# Allegro board 08_038702e.brd (continued)
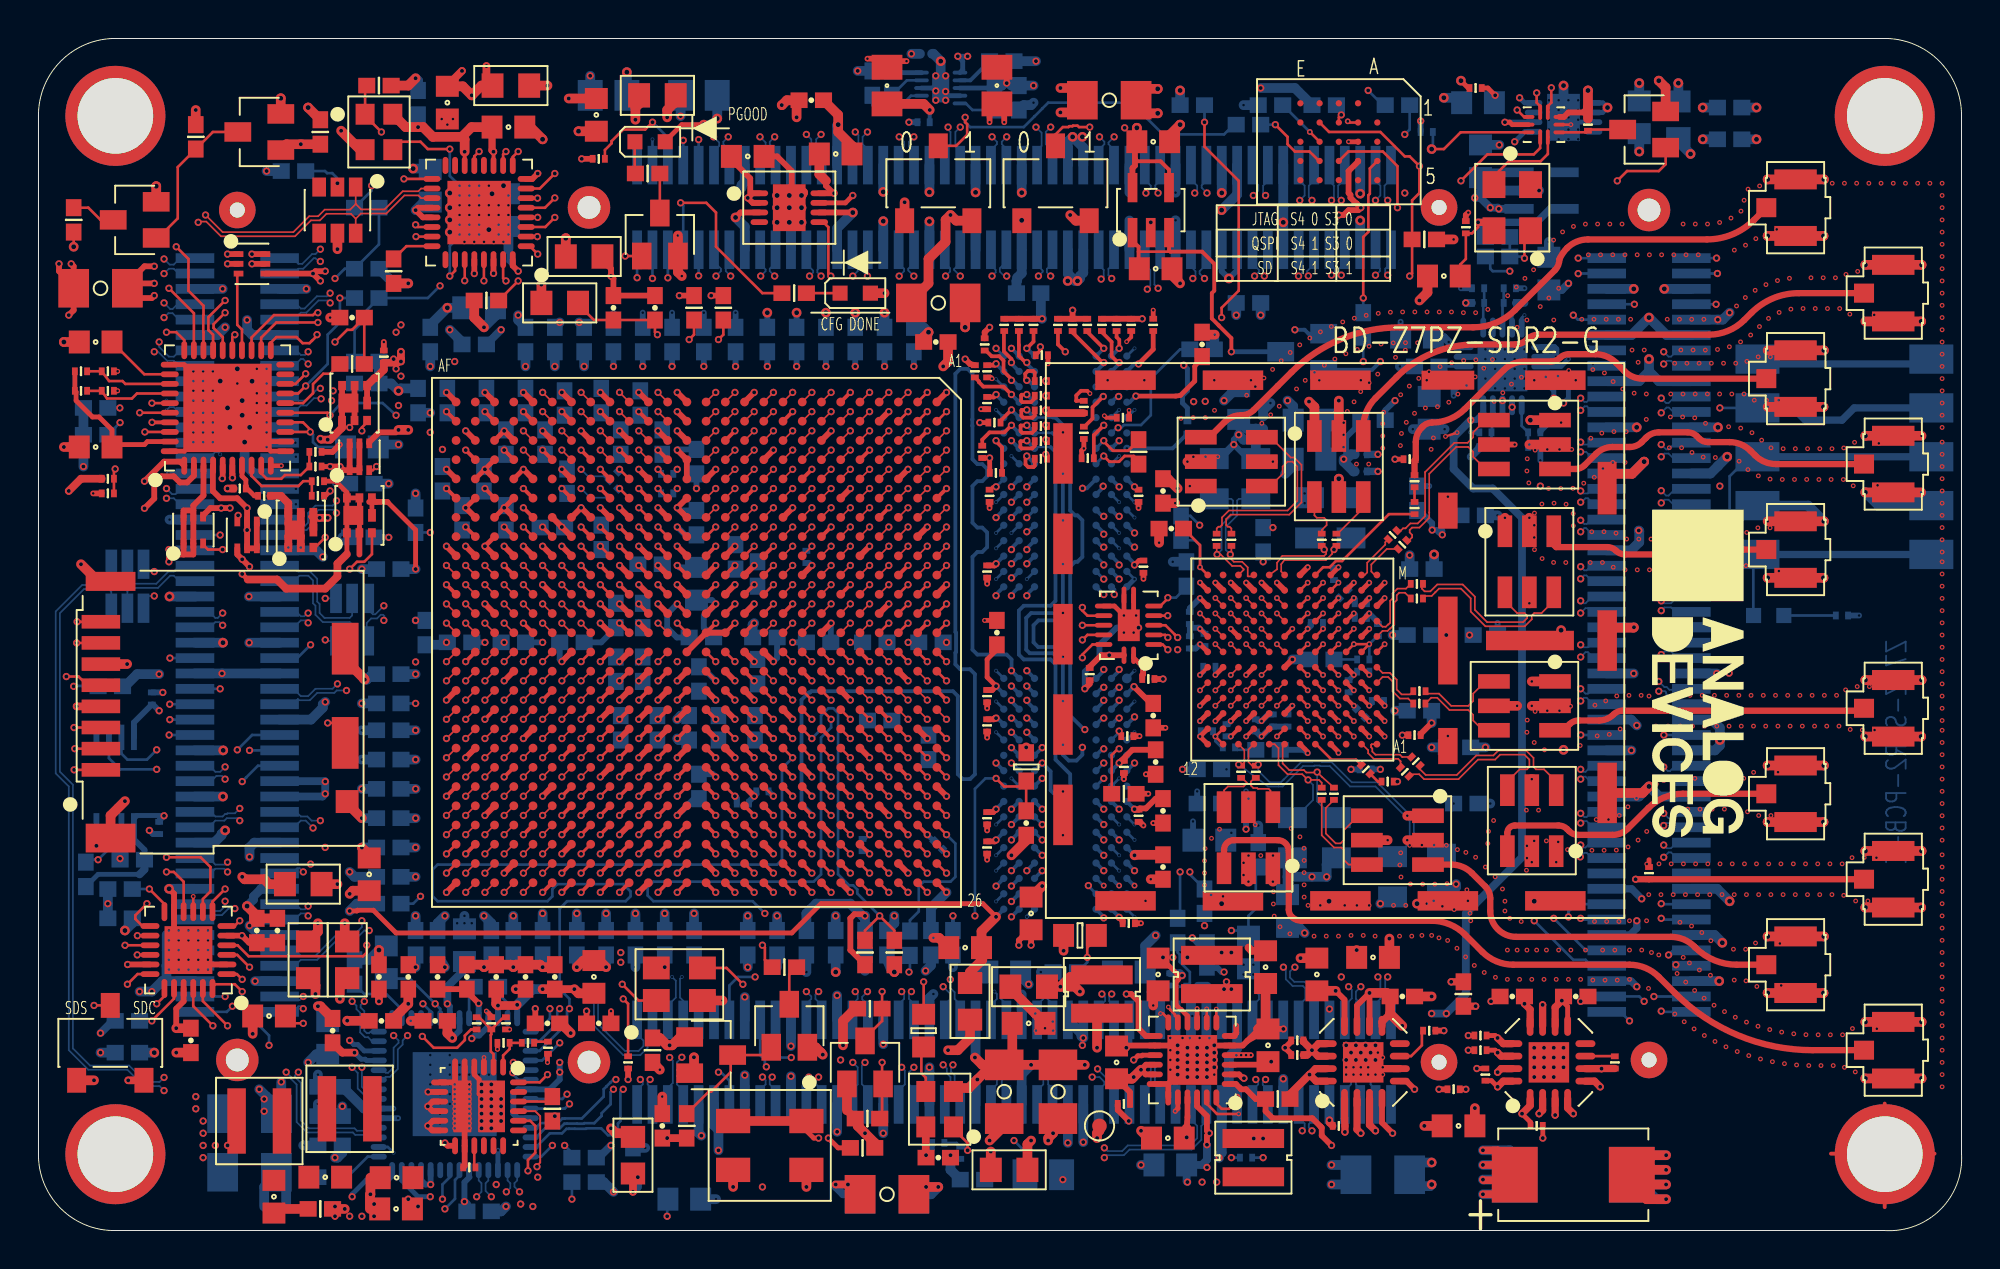
[diagram p0: board, top side]
## Routing (per net, layer and track width the routed paths; a pad name or vN(x,y) marks a point on that pad's centre or on a via; arc(x,y) is an arc through that point) (continued)
IO_25_12_JX4: length 68.8
  TOP w0.14: U1.W17 v1(28.22,26.59)
  L4_SIG w0.095: v3(80.22,45.07) 80.12,44.97 74.09,44.97 73.71,44.59 73.71,44.05 73.33,43.67 57.28,43.67 57.13,43.82 54.81,43.82 54.66,43.67 54.15,43.67 54.03,43.54 53.39,43.54 53.1,43.84 50,43.84 49.99,43.82 49.65,43.82 49.45,43.62 49.45,43.29 48.31,42.15 43.99,42.15 43.61,41.76 43.61,40.37 43.36,40.11 41.2,40.11 40.56,39.47 40.56,39.45 40.36,39.25 40.34,39.25 39.88,38.79 39.88,38.66 39.14,37.93 39.07,37.93 38.88,37.73 38.88,37.66 38.46,37.25 37.32,37.25 37.14,37.07 30.02,37.07 29.89,36.93 29.07,36.93 28.74,36.6 28.7,36.6 28.21,36.1 28.21,36.06 27.88,35.73 27.88,34.92 27.74,34.78 27.74,26.97 28.12,26.59 v1(28.22,26.59)
  L19_GND w0.203: v3(80.22,45.07) 80.82,45.07 v4(80.82,45.07)
IO_25_13_JX2: length 72.3
  TOP w0.14: U1.V18 v1(29.22,25.59)
  L18_SIG w0.095: v1(29.22,25.59) 28.88,25.25 28.36,25.25 28.36,25.25 26.4,25.25 25.55,24.41 25.55,24.13 25.36,23.93 25.07,23.93 24.56,23.42 24.56,19.29 24.92,18.93 26.36,18.93 26.6,18.69 26.6,17.25 27.02,16.83 28.13,16.83 28.33,16.63 28.33,15.77 29.52,14.59 29.52,14.21 30.28,13.44 30.79,13.44 31.17,13.06 31.17,12.05 30.8,11.68 28.71,11.68 28.64,11.75 28.47,11.92 25.71,11.92 24.77,10.98 23.29,10.98 22.91,10.6 22.91,9.89 23.29,9.51 23.8,9.51 24.18,9.13 24.18,8.24 24.33,8.09 24.33,8.07 24.52,7.87 24.55,7.87 26.09,6.33 27.23,6.33 27.48,6.08 28.16,6.08 28.8,6.71 31.04,6.71 32.31,5.44 35.26,5.44 35.87,6.05 40.69,6.05 40.82,6.18 40.82,6.46 40.69,6.59 35.36,6.59 34.85,6.08 33.93,6.08 33.83,6.17 33.83,6.46 34.72,7.34 34.72,7.48 34.47,7.73 33.96,7.73 32.56,6.33 32.06,6.33 31.93,6.46 31.93,6.71 33.48,8.26 35.33,8.26 v1(35.36,8.24)
  BOTTOM w0.14: JX2.14 35.93,7.79 35.49,8.24 v1(35.36,8.24)
IO_25_33_JX1: length 72.6
  TOP w0.14: U1.N8 v1(35.22,36.59)
  L7_SIG w0.095: v1(35.22,36.59) 33.71,38.1 33.71,39.22 34.33,39.84 34.33,44.73 34.26,44.8 34.26,45.08 34.33,45.15 34.33,48.76 33.96,49.13 33.96,53.45 33.58,53.83 30.41,53.83 29.52,54.72 29.52,57.64 29.26,57.89 22.4,57.89 21.9,58.4 21.9,59.16 22.28,59.54 24.06,59.54 24.44,59.16 26.98,59.16 27.36,59.54 29.56,59.54 29.81,59.8 37.26,59.8 37.64,59.42 37.64,58.66 37.26,58.27 33.55,58.27 33.53,58.3 33.25,58.3 33.23,58.27 30.91,58.27 30.53,57.89 30.53,54.97 31.42,54.08 33.96,54.08 34.34,53.7 34.34,49.67 v1(34.33,49.65)
  BOTTOM w0.14: JX1.10 v1(34.33,49.65)
IO_25_34_JX4: length 50.5
  TOP w0.14: U1.K10 v1(38.22,34.59)
  L14_SIG w0.095: v1(38.22,34.59) 38.22,34.59 38.66,34.14 44.25,34.14 44.56,34.45 44.56,34.45 45.26,35.16 50.37,35.16 50.45,35.08 50.73,35.08 50.82,35.16 51.17,35.16 51.25,35.08 51.53,35.08 51.62,35.16 59.21,35.16 59.85,35.8 68.89,35.8 71.81,32.87 75.24,32.87 78.67,29.45 78.67,27.3 v1(80.2,25.77)
  BOTTOM w0.14: JX4.64 v1(80.2,25.77)
IO_25_35_AD9361_CLKOUT: length 31.8
  TOP w0.14: U1.K12 v1(38.22,32.59) ; v6(66,32.09) U17.J6
  L4_SIG w0.095: v1(38.22,32.59) 38.82,31.99 39.17,31.99 39.23,31.93 39.36,31.93 39.55,31.73 39.55,31.6 41.07,30.08 47.55,30.08 48.82,31.35 53.93,31.35 54.14,31.14 54.42,31.14 54.63,31.35 56.72,31.35 56.85,31.22 57.06,31.01 57.34,31.01 57.56,31.22 59.74,31.22 60.12,30.84 63.85,30.84 64.7,31.69 65.59,31.69 v6(66,32.09)
IO_L01_12_JX3_N: length 72.3
  TOP w0.089: U1.Y11 v1(27.22,33.59)
  L18_SIG w0.089: v1(27.22,33.59) 26.81,33.18 20.34,33.18 19.99,32.83 19.99,32.34 20.34,32 25.35,32 25.58,31.77 25.58,31.6 25.55,31.58 25.55,31.45 25.35,31.25 25.23,31.25 25.2,31.22 19.98,31.22 19.61,30.85 19.61,30.33 19.98,29.95 25.33,29.95 25.55,29.73 25.55,29.42 25.33,29.19 20.63,29.19 20.25,28.81 20.25,28.3 20.62,27.93 25.35,27.93 25.55,27.73 25.55,27.38 25.35,27.18 20.77,27.18 20.25,26.65 20.25,25.11 19.95,24.81 19.95,24.35 19.75,24.16 17.42,24.16 17.07,23.81 17.07,23.32 17.42,22.97 18.74,22.97 18.98,22.74 18.98,22.31 18.74,22.08 15.69,22.08 15.17,21.56 15.17,20.82 15.69,20.3 18.75,20.3 18.98,20.08 18.98,19.76 18.59,19.38 18.59,18.76 18.36,18.52 17.81,18.52 17.58,18.76 17.58,19.01 17.05,19.54 16.23,19.54 15.2,18.5 14.53,18.5 14.15,18.88 v1(14.15,19.06)
  BOTTOM w0.089: v1(14.15,19.06) 13.49,19.06 13.17,19.37 JX3.22
IO_L01_12_JX3_P: length 72.3
  TOP w0.089: U1.Y12 v1(27.22,32.59)
  L18_SIG w0.089: v1(27.22,32.59) 26.88,32.93 20.44,32.93 20.25,32.73 20.25,32.45 20.44,32.25 25.46,32.25 25.83,31.88 25.83,31.5 25.81,31.47 25.81,31.34 25.46,31 25.33,31 25.3,30.97 20.09,30.97 19.86,30.75 19.86,30.43 20.09,30.21 25.43,30.21 25.81,29.83 25.81,29.31 25.43,28.94 20.73,28.94 20.5,28.71 20.5,28.41 20.73,28.18 25.46,28.18 25.81,27.83 25.81,27.27 25.46,26.93 20.88,26.93 20.5,26.55 20.5,25 20.2,24.7 20.2,24.25 19.86,23.9 17.52,23.9 17.32,23.7 17.32,23.42 17.52,23.22 18.85,23.22 19.23,22.84 19.23,22.21 18.85,21.83 15.79,21.83 15.42,21.45 15.42,20.93 15.79,20.56 18.86,20.56 19.23,20.18 19.23,19.66 18.85,19.28 18.85,18.65 18.47,18.27 17.71,18.27 17.32,18.65 17.32,18.9 16.94,19.29 16.34,19.29 15.3,18.25 14.76,18.25 14.66,18.14 14.49,18.14 13.98,18.65 v1(13.77,18.65)
  BOTTOM w0.089: v1(13.77,18.65) 13.58,18.84 13.45,18.84 13.18,18.57 JX3.20
IO_L01_13_JX2_N: length 72.9
  TOP w0.089: U1.AB25 v1(25.22,18.59)
  L18_SIG w0.089: v1(25.22,18.59) 25.59,18.22 25.59,18.13 25.55,18.09 25.55,17.45 25.35,17.25 23.14,17.25 23.14,17.25 23.08,17.25 22.88,17.45 22.88,17.73 22.91,17.76 22.91,18.42 22.88,18.45 22.88,18.73 22.91,18.76 22.91,19.42 22.88,19.45 22.88,19.73 22.91,19.76 22.91,20.42 22.88,20.45 22.88,20.73 22.91,20.76 22.91,21.42 22.88,21.45 22.88,21.73 22.91,21.76 22.91,22.42 22.88,22.45 22.88,22.68 22.81,22.76 22.81,22.83 22.46,23.18 22.38,23.18 21.9,23.18 21.63,22.91 21.63,16.22 21.52,16.11 21.36,16.11 21.27,16.03 20.99,16.03 20.91,16.11 19.83,16.11 19.75,16.03 19.47,16.03 19.39,16.11 17.96,16.11 17.71,15.86 17.71,15.22 17.96,14.97 24.46,14.97 24.56,14.86 24.56,14.44 24.46,14.33 18.02,14.33 17.87,14.19 17.54,14.19 17.35,14.38 16.93,14.38 16.85,14.46 13.01,14.46 12.75,14.21 12.75,13.32 13.01,13.06 26.5,13.06 26.88,13.44 26.88,16.01 26.98,16.11 27.54,16.11 27.61,16.04 27.61,14.97 28.08,14.5 28.47,14.5 28.63,14.35 v3(28.63,12.55)
  L19_GND w0.089: v3(28.63,12.55) 28.75,12.43 v4(28.75,12.05)
  BOTTOM w0.089: v4(28.75,12.05) 28.88,11.92 28.88,10.65 30.41,9.13 31.29,9.13 31.68,9.51 31.68,9.89 31.93,10.14 JX2.3
IO_L01_13_JX2_P: length 72.8
  TOP w0.089: U1.AA25 v1(26.22,18.59)
  L18_SIG w0.089: v1(26.22,18.59) 25.84,18.22 25.84,18.02 25.81,17.98 25.81,17.34 25.46,17 23.04,17 22.97,17 22.63,17.34 22.63,17.83 22.66,17.87 22.66,18.31 22.63,18.34 22.63,18.83 22.66,18.87 22.66,19.31 22.63,19.34 22.63,19.83 22.66,19.87 22.66,20.31 22.63,20.34 22.63,20.83 22.66,20.87 22.66,21.31 22.63,21.34 22.63,21.83 22.66,21.87 22.66,22.31 22.63,22.34 22.63,22.58 22.55,22.65 22.55,22.73 22.35,22.92 22.28,22.92 22.02,22.93 21.88,22.78 21.88,16.12 21.62,15.86 21.46,15.86 21.38,15.77 20.89,15.77 20.81,15.86 19.94,15.86 19.86,15.77 19.37,15.77 19.28,15.86 18.06,15.86 17.96,15.75 17.96,15.33 18.06,15.22 24.56,15.22 24.82,14.97 24.82,14.33 24.56,14.08 18.12,14.08 17.98,13.93 17.43,13.93 17.24,14.12 16.83,14.12 16.74,14.21 13.11,14.21 13.01,14.1 13.01,13.42 13.11,13.32 26.39,13.32 26.62,13.55 26.62,16.11 26.88,16.36 27.66,16.36 27.66,16.35 27.87,16.14 27.87,15.07 28.18,14.75 28.58,14.75 28.88,14.45 28.88,13.44 29.14,13.19 29.52,13.19 29.64,13.06 29.64,12.94 v3(29.26,12.55)
  L19_GND w0.089: v4(29.1,12.05) 29.1,12.39 v3(29.26,12.55)
  BOTTOM w0.089: v4(29.1,12.05) 29.1,10.74 30.49,9.34 31.2,9.34 31.46,9.6 31.46,9.88 31.13,10.21 JX2.1
IO_L01_33_JX1_N: length 72.3
  TOP w0.089: U1.F4 v1(42.22,40.59)
  L3_SIG w0.089: v1(45.52,56.88) 45.26,56.62 45.26,55.99 45.65,55.61 52.74,55.61 53.12,55.99 53.12,57.66 53.27,57.81 53.28,57.81 53.47,58.01 53.47,58.91 53.86,59.29 54.79,59.29 55.17,58.91 55.17,58.13 55.4,57.89 55.83,57.89 56.06,58.13 56.06,59.04 56.44,59.42 57.33,59.42 57.86,58.89 59.53,58.89 59.72,59.08 63.69,59.08 63.77,59.16 66.98,59.16 67.36,58.78 67.36,58.04 66.88,57.56 66.88,57.26 67.02,57.11 67.24,57.11 67.62,56.73 67.62,56.26 67.24,55.88 67.11,55.88 66.73,55.5 66.73,55.05 67.09,54.68 67.09,53.93 66.81,53.65 66.81,53.33 66.6,53.12 66.6,50.4 66.22,50.02 49.2,50.02 47.09,47.91 46.31,47.91 45.25,46.86 45.13,46.86 43.51,45.24 43.51,44.86 42.96,44.3 42.32,44.3 41.84,43.83 41.84,40.96 v1(42.22,40.59)
  BOTTOM w0.089: v1(45.52,56.88) 45.26,56.62 45.26,56.37 45.53,56.11 JX1.37
IO_L01_33_JX1_P: length 72.3
  TOP w0.089: U1.G4 v1(41.22,40.59)
  L3_SIG w0.089: v1(44.76,56.88) 45.01,56.62 45.01,55.88 45.54,55.35 52.84,55.35 53.37,55.88 53.37,57.55 53.73,57.9 53.73,58.8 53.96,59.04 54.68,59.04 54.92,58.8 54.92,58.02 55.3,57.64 55.93,57.64 56.31,58.02 56.31,58.93 56.55,59.16 57.22,59.16 57.75,58.64 59.63,58.64 59.82,58.83 63.8,58.83 63.88,58.91 66.88,58.91 67.11,58.68 67.11,58.15 66.62,57.66 66.62,57.15 66.92,56.86 67.13,56.86 67.36,56.62 67.36,56.37 67.13,56.14 67,56.14 66.47,55.61 66.47,54.94 66.84,54.58 66.84,54.04 66.56,53.75 66.56,53.44 66.35,53.23 66.35,50.51 66.11,50.27 49.1,50.27 46.99,48.17 46.21,48.17 45.15,47.11 45.02,47.11 43.25,45.34 43.25,44.96 42.85,44.56 42.22,44.56 41.59,43.93 41.59,40.96 v1(41.22,40.59)
  BOTTOM w0.089: v1(44.76,56.88) 45.01,56.62 45.01,56.37 44.73,56.09 JX1.35
IO_L01_34_JX4_N: length 71.9
  TOP w0.089: U1.H11 v1(40.22,33.59)
  L17_SIG w0.089: v1(40.22,33.59) 39.84,33.96 39.84,44.11 40.61,44.88 40.61,45.08 41.49,45.96 43.72,45.96 45.14,47.37 45.14,48.14 48.93,51.92 50.82,51.92 50.86,51.88 57.55,51.88 57.59,51.84 58.08,51.84 58.12,51.88 64.35,51.88 64.46,51.78 65,51.78 65.14,51.92 68.4,51.92 68.46,51.87 69,51.87 69.05,51.92 72.2,51.92 72.27,51.85 74.6,51.85 74.61,51.84 75.1,51.84 75.11,51.85 76.31,51.85 77.52,53.07 78.54,53.07 79.05,52.56 80.06,52.56 80.57,53.07 81.23,53.07 82.3,52 82.3,48.7 82.39,48.6 82.39,47.93 82.48,47.84 82.48,43.82 83.26,43.03 83.54,43.03 83.62,42.96 83.85,42.96 83.92,43.03 84.13,43.03 84.38,42.78 v1(84.38,42.53)
  BOTTOM w0.089: v1(84.38,42.53) 84.65,42.8 84.78,42.8 85.01,42.57 JX4.21
IO_L01_34_JX4_P: length 72
  TOP w0.089: U1.J11 v1(39.22,33.59)
  L17_SIG w0.089: v1(39.22,33.59) 39.59,33.96 39.59,44.22 40.36,44.98 40.36,45.18 41.38,46.21 43.61,46.21 44.88,47.48 44.88,48.24 48.82,52.18 50.92,52.18 50.96,52.14 57.66,52.14 57.7,52.1 57.98,52.1 58.02,52.14 64.46,52.14 64.56,52.03 64.89,52.03 65.04,52.18 68.51,52.18 68.56,52.13 68.89,52.13 68.94,52.18 72.3,52.18 72.37,52.11 74.7,52.11 74.72,52.1 74.99,52.1 75.01,52.11 76.2,52.11 77.42,53.32 78.64,53.32 79.15,52.81 79.96,52.81 80.46,53.32 81.33,53.32 82.55,52.1 82.55,48.81 82.65,48.71 82.65,48.03 82.73,47.95 82.73,43.92 83.36,43.29 v1(84.38,43.29)
  BOTTOM w0.089: v1(84.38,43.29) 84.63,43.03 84.76,43.03 85.1,43.37 JX4.19
IO_L01_35_RX_D0_N: length 43.1
  TOP w0.089: U1.E12 v1(43.22,32.59) ; v6(61.2,32.89) U17.K11
  L4_SIG w0.089: v1(43.22,32.59) 43.13,32.67 42.95,32.67 42.87,32.59 42.87,32.24 42.8,32.17 42.55,31.92 40.92,31.92 40.82,31.82 40.82,31.36 40.92,31.25 42.58,31.25 42.85,30.98 42.85,30.71 42.98,30.59 43.16,30.59 43.28,30.71 43.28,31.18 43.55,31.45 43.55,31.83 43.97,32.25 44.46,32.25 44.88,31.83 44.88,31.45 45.08,31.25 45.16,31.25 45.16,31.25 45.62,31.25 45.9,30.98 45.9,30.72 46.03,30.59 46.48,30.59 46.61,30.72 46.61,30.98 46.89,31.25 47.88,31.25 47.98,31.36 47.98,31.76 48.31,32.09 51.94,32.09 52.2,32.34 52.2,32.93 52.47,33.2 52.89,33.2 53.16,32.93 53.16,32.21 53.29,32.09 53.52,32.09 53.65,32.21 53.65,33.49 53.92,33.76 54.77,33.76 55.04,33.49 55.04,31.96 55.17,31.83 56.31,31.83 56.44,31.96 56.44,33.51 56.69,33.76 57.2,33.76 57.46,33.51 57.46,32.04 57.56,31.93 57.99,31.93 58.09,32.04 58.09,33.51 58.35,33.76 59.9,33.76 60.15,33.52 60.15,33.17 59.9,32.93 59.49,32.93 59.36,32.8 59.36,31.88 59.48,31.76 59.65,31.76 59.77,31.88 59.77,32.32 60.04,32.59 60.76,32.59 60.94,32.42 61.32,32.42 61.39,32.49 61.39,32.7 v6(61.2,32.89)
IO_L01_35_RX_D0_P: length 43.2
  TOP w0.089: U1.F12 v1(42.22,32.59) ; v6(60.4,32.09) U17.J12
  L4_SIG w0.089: v1(42.22,32.59) 42.32,32.7 42.5,32.7 42.62,32.58 42.62,32.35 42.46,32.19 41.82,32.19 41.81,32.18 40.82,32.18 40.57,31.92 40.57,31.25 40.82,31 42.47,31 42.6,30.87 42.6,30.61 42.87,30.33 43.26,30.33 43.54,30.61 43.54,31.08 43.81,31.34 43.81,31.73 44.08,32 44.35,32 44.63,31.73 44.63,31.34 44.97,31 45.06,31 45.52,31 45.65,30.87 45.65,30.61 45.92,30.33 46.59,30.33 46.86,30.61 46.86,30.87 46.99,31 47.98,31 48.24,31.25 48.24,31.65 48.42,31.83 52.05,31.83 52.45,32.24 52.45,32.82 52.58,32.95 52.78,32.95 52.91,32.82 52.91,32.11 53.19,31.83 53.62,31.83 53.9,32.11 53.9,33.38 54.03,33.51 54.66,33.51 54.79,33.38 54.79,31.85 55.06,31.58 56.42,31.58 56.69,31.85 56.69,33.4 56.8,33.51 57.1,33.51 57.2,33.4 57.2,31.93 57.46,31.68 58.09,31.68 58.35,31.93 58.35,33.4 58.45,33.51 59.8,33.51 59.89,33.41 59.89,33.28 59.8,33.18 59.38,33.18 59.11,32.9 59.11,31.77 59.38,31.5 59.75,31.5 60.02,31.77 60.02,32.21 60.15,32.34 60.66,32.34 60.82,32.18 60.82,32.05 60.69,31.92 60.57,31.92 v6(60.4,32.09)
IO_L02_12_JX3_N: length 72.4
  TOP w0.089: U1.AC11 v1(24.22,33.59)
  L6_SIG w0.089: v1(24.22,33.59) 24.56,33.24 24.56,33.12 24.37,32.93 24.08,32.93 23.88,32.73 23.88,32.32 23.74,32.18 20.9,32.18 20.07,31.35 19.12,31.35 18.74,30.97 15.69,30.97 14.02,29.3 14.02,22.18 13.6,21.76 13.54,21.76 13.01,21.23 13.01,10.37 12.77,10.14 12.48,10.14 12.24,10.37 12.24,10.63 11.71,11.16 10.16,11.16 10.08,11.24 8.82,11.24 8.48,10.89 8.48,10.4 8.59,10.29 8.59,7.86 8.34,7.6 7.93,7.6 7.67,7.86 7.67,8.49 7.42,8.74 4.48,8.74 4.37,8.85 4.37,9.66 4.48,9.76 7.4,9.76 7.8,10.16 7.8,15.5 8.03,15.73 8.46,15.73 8.69,15.5 8.69,15.37 9.22,14.84 10.24,14.84 10.34,14.75 10.83,14.75 10.92,14.84 11.71,14.84 12.24,15.37 12.24,21.23 11.75,21.72 11.54,21.72 11.33,21.72 11.23,21.83 11.08,21.83 10.97,21.72 10.69,21.72 v1(10.47,21.95)
  BOTTOM w0.089: JX3.27 8.96,21.77 9.2,21.53 9.58,21.53 9.7,21.66 9.79,21.66 9.83,21.7 10.21,21.7 v1(10.47,21.95)
IO_L02_12_JX3_P: length 72.4
  TOP w0.089: U1.AB12 v1(25.22,32.59)
  L6_SIG w0.089: v1(25.22,32.59) 24.87,32.94 24.74,32.94 24.67,32.87 24.67,32.57 24.24,32.14 24.06,32.14 23.85,31.93 21.01,31.93 20.18,31.1 19.23,31.1 18.85,30.72 15.8,30.72 14.28,29.19 14.28,22.08 13.7,21.51 13.64,21.51 13.26,21.13 13.26,10.27 12.88,9.89 12.37,9.89 11.99,10.27 11.99,10.52 11.61,10.9 10.05,10.9 9.97,10.99 8.93,10.99 8.73,10.79 8.73,10.51 8.85,10.4 8.85,7.75 8.44,7.35 7.82,7.35 7.42,7.75 7.42,8.39 7.31,8.49 4.37,8.49 4.12,8.74 4.12,9.76 4.37,10.01 7.29,10.01 7.55,10.27 7.55,15.6 7.93,15.98 8.56,15.98 8.94,15.6 8.94,15.48 9.32,15.09 10.35,15.09 10.44,15 10.72,15 10.82,15.09 11.61,15.09 11.99,15.48 11.99,21.13 11.65,21.47 11.54,21.47 10.62,21.47 v1(10.47,21.32)
  BOTTOM w0.089: v1(10.47,21.32) 10.34,21.44 9.79,21.44 9.67,21.32 9.2,21.32 8.85,20.97 JX3.25
IO_L02_13_JX2_N: length 72.8
  TOP w0.089: U1.AC26 v1(24.22,17.59)
  L7_SIG w0.089: v1(31.8,7.86) 31.55,8.11 31.55,8.24 31.68,8.36 31.93,8.36 32.06,8.49 32.06,8.74 31.93,8.87 31.68,8.87 31.55,9 31.55,9.23 32.29,9.97 35.61,9.97 35.99,9.59 35.99,7.37 36.4,6.97 37.54,6.97 37.64,6.86 37.64,5.97 38.05,5.57 38.3,5.57 38.41,5.46 38.41,3.18 38.81,2.78 43.59,2.78 43.99,3.18 43.99,3.79 43.74,4.05 39.93,4.05 39.68,4.3 39.68,6.46 39.42,6.71 39.04,6.71 38.79,6.97 38.79,9.74 39.02,9.97 39.42,9.97 39.8,10.35 39.8,11.16 39.42,11.54 32.59,11.54 32.2,11.16 30.66,11.16 29.62,12.19 27.75,12.19 27.52,12.43 26.56,12.43 26.35,12.22 25.99,12.22 25.06,13.15 22.11,13.15 21.88,13.38 21.88,18.78 22.02,18.93 23.5,18.93 23.88,19.31 23.88,20.76 23.46,21.18 23.15,21.18 22.88,21.45 22.88,21.73 23.08,21.93 23.12,21.93 23.14,21.95 24.32,21.95 24.35,21.93 24.35,21.93 24.55,21.73 24.55,17.93 v1(24.22,17.59)
  BOTTOM w0.089: v1(31.8,7.86) 31.68,7.73 31.68,7.6 31.93,7.35 JX2.4
IO_L02_13_JX2_P: length 72.8
  TOP w0.089: U1.AB26 v1(25.22,17.59)
  L7_SIG w0.089: v1(31.29,7.86) 31.29,9.34 32.18,10.22 35.72,10.22 36.25,9.69 36.25,7.47 36.5,7.22 37.64,7.22 37.9,6.97 37.9,6.08 38.15,5.82 38.41,5.82 38.66,5.57 38.66,3.28 38.91,3.03 43.49,3.03 43.74,3.28 43.74,3.69 43.63,3.79 39.82,3.79 39.42,4.19 39.42,6.35 39.32,6.46 38.94,6.46 38.53,6.86 38.53,9.84 38.91,10.22 39.32,10.22 39.55,10.46 39.55,11.05 39.32,11.28 32.69,11.28 32.31,10.9 30.55,10.9 29.52,11.94 27.65,11.94 27.41,12.17 26.67,12.17 26.46,11.96 25.88,11.96 24.96,12.89 22.01,12.89 21.62,13.27 21.62,18.89 21.92,19.18 23.39,19.18 23.62,19.41 23.62,20.66 23.35,20.93 23.04,20.93 22.62,21.34 22.62,21.83 22.97,22.18 23.01,22.18 23.04,22.21 24.42,22.21 24.45,22.18 24.46,22.18 24.81,21.83 24.81,18 v1(25.22,17.59)
  BOTTOM w0.089: JX2.2 31.13,7.31 31.42,7.6 31.42,7.73 v1(31.29,7.86)
IO_L02_33_JX1_N: length 73.9
  TOP w0.089: U1.D3 v1(44.22,41.59)
  L3_SIG w0.089: v1(47.93,57.39) 47.63,57.09 47.63,56.8 48.06,56.37 50.6,56.37 50.98,56.75 50.98,58.17 50.75,58.4 49.96,58.4 49.58,58.78 49.58,59.93 49.96,60.31 51.36,60.31 51.49,60.18 67.59,60.18 68.63,59.14 68.63,56.75 68.38,56.5 68.38,54.14 68.33,54.09 68.33,53.76 68.38,53.71 68.38,52.74 68.33,52.69 68.33,52.36 68.38,52.31 68.38,49.28 67.34,48.24 60.01,48.24 59.96,48.19 59.47,48.19 59.42,48.24 55.06,48.24 54.94,48.37 54.01,48.37 53.88,48.24 48.31,48.24 47.3,47.23 47.3,45.7 45.65,44.05 44.48,44.05 44.36,43.92 43.97,43.92 43.81,43.76 43.81,43.34 43.46,43 43.05,43 42.85,42.8 42.85,41.48 43.08,41.25 43.72,41.25 43.75,41.22 43.95,41.22 43.98,41.18 44.15,41.18 44.22,41.25 v1(44.22,41.59)
  BOTTOM w0.089: JX1.43 47.93,56.25 47.68,56.5 47.68,57.13 v1(47.93,57.39)
IO_L02_33_JX1_P: length 74
  TOP w0.089: U1.D4 v1(44.22,40.59)
  L3_SIG w0.089: v1(44.22,40.59) 43.84,40.96 43.65,40.96 43.61,41 42.97,41 42.6,41.37 42.6,42.91 42.94,43.25 43.35,43.25 43.55,43.45 43.55,43.86 43.87,44.18 44.25,44.18 44.38,44.3 45.54,44.3 47.04,45.81 47.04,47.33 48.21,48.5 53.77,48.5 53.9,48.62 55.04,48.62 55.17,48.5 59.52,48.5 59.57,48.44 59.85,48.44 59.9,48.5 67.24,48.5 68.12,49.38 68.12,52.21 68.07,52.26 68.07,52.8 68.12,52.85 68.12,53.6 68.07,53.65 68.07,54.2 68.12,54.25 68.12,56.6 68.38,56.86 68.38,59.04 67.49,59.93 51.38,59.93 51.25,60.05 50.07,60.05 49.84,59.82 49.84,58.89 50.07,58.66 50.85,58.66 51.23,58.27 51.23,56.65 50.7,56.12 47.95,56.12 47.38,56.69 47.38,57.3 v1(47.3,57.39)
  BOTTOM w0.089: v1(47.3,57.39) 47.3,57.26 47.42,57.13 47.42,56.5 47.13,56.2 JX1.41
IO_L02_34_JX4_N: length 74.2
  TOP w0.089: U1.G5 v1(41.22,39.59)
  L4_SIG w0.089: v1(41.22,39.59) 41.59,39.22 43.32,39.22 43.55,39.45 43.55,39.8 43.99,40.24 48.06,40.24 49.84,42.02 50.26,42.02 50.45,42.22 50.73,42.22 50.93,42.02 51.06,42.02 51.25,42.22 51.53,42.22 51.73,42.02 52.03,42.02 52.24,42.23 52.52,42.23 52.73,42.02 54.66,42.02 55.3,42.65 55.93,42.65 56.82,41.76 57.58,41.76 57.71,41.89 61.41,41.89 61.92,42.4 63.77,42.4 64.28,41.89 73.33,41.89 73.97,42.53 74.22,42.78 74.96,42.78 75.6,42.15 76.65,42.15 76.92,42.41 76.92,42.5 77.29,42.87 77.38,42.87 77.45,42.95 77.46,42.95 77.78,43.27 77.78,43.65 78.31,44.18 80.57,44.18 80.95,44.56 80.95,51.8 80.57,52.18 79.43,52.18 79.02,52.58 79.02,53.43 79.43,53.83 81.69,53.83 82.22,53.3 82.22,52.05 82.6,51.67 82.73,51.67 83.11,51.29 83.11,49.89 82.73,49.51 82.6,49.51 82.22,49.13 82.22,43.16 81.71,42.65 v1(80.19,42.65)
  BOTTOM w0.089: JX4.22 80.81,42.57 80.52,42.86 80.4,42.86 v1(80.19,42.65)
IO_L02_34_JX4_P: length 74.2
  TOP w0.089: U1.G6 v1(41.22,38.59)
  L4_SIG w0.089: v1(41.22,38.59) 41.59,38.96 43.42,38.96 43.81,39.34 43.81,39.69 44.1,39.99 48.16,39.99 49.94,41.76 50.23,41.76 50.45,41.54 50.73,41.54 50.95,41.76 51.03,41.76 51.25,41.54 51.53,41.54 51.75,41.76 52.03,41.76 52.24,41.55 52.52,41.55 52.73,41.76 54.82,41.76 54.98,41.6 55.05,41.54 55.88,41.54 56,41.42 56.28,41.42 56.33,41.46 57.79,41.46 57.96,41.64 61.52,41.64 62.03,42.15 63.67,42.15 64.17,41.64 73.44,41.64 74.07,42.27 74.33,42.53 74.86,42.53 75.49,41.89 76.76,41.89 77.17,42.3 77.17,42.4 77.4,42.62 77.48,42.62 77.56,42.69 77.56,42.69 78.03,43.16 78.03,43.54 78.41,43.92 80.68,43.92 81.21,44.45 81.21,51.9 80.68,52.43 79.53,52.43 79.28,52.69 79.28,53.32 79.53,53.58 81.59,53.58 81.97,53.19 81.97,51.95 82.5,51.42 82.62,51.42 82.86,51.18 82.86,50 82.62,49.77 82.5,49.77 81.97,49.24 81.97,43.27 81.61,42.91 81.46,42.91 81.33,43.03 81.33,43.42 81.21,43.54 80.95,43.54 80.82,43.42 80.82,43.03 80.7,42.91 80.41,42.91 80.19,43.13 v1(80.19,43.29)
  BOTTOM w0.089: v1(80.19,43.29) 80.38,43.1 80.51,43.1 80.78,43.37 JX4.20
IO_L02_35_RX_D1_N: length 43.8
  TOP w0.089: v6(62,32.89) U17.K10 ; U1.D10 v1(44.22,34.59)
  L17_SIG w0.089: v1(44.22,34.59) 43.84,34.22 43.84,33.47 44.07,33.24 44.25,33.24 44.26,33.25 44.35,33.25 44.55,33.45 44.55,33.83 44.97,34.25 45.46,34.25 45.88,33.83 45.88,33.45 46.08,33.25 46.14,33.25 46.15,33.24 46.28,33.24 46.29,33.25 46.35,33.25 46.55,33.45 46.55,33.73 46.53,33.74 46.53,34.43 46.55,34.45 46.55,34.67 46.63,34.74 46.63,35.92 46.88,36.18 46.97,36.18 46.97,36.18 47.34,36.18 47.71,36.56 48.06,36.56 48.31,36.3 48.31,34.55 47.93,34.17 47.93,33.61 48.31,33.24 49.18,33.24 49.55,33.6 50.69,33.6 50.69,33.61 51.64,33.61 51.74,33.71 51.74,35.16 52,35.41 52.63,35.41 52.88,35.16 52.88,32.81 52.99,32.7 53.41,32.7 53.52,32.81 53.52,34.38 53.92,34.78 54.51,34.78 54.76,34.53 54.76,33.23 55.25,32.74 58.42,32.74 58.59,32.58 58.87,32.58 59.03,32.74 59.26,32.74 59.36,32.85 59.36,33.13 59.11,33.38 57.08,33.38 56.82,33.64 56.82,34.05 57.05,34.28 57.13,34.28 57.38,34.53 57.99,34.53 58.49,35.03 59.36,35.03 60.41,33.99 60.52,33.99 60.7,33.82 60.7,33.55 61.05,33.19 61.32,33.19 61.52,33 61.52,32.88 61.65,32.75 61.85,32.75 v6(62,32.89)
IO_L02_35_RX_D1_P: length 44.1
  TOP w0.089: U1.E10 v1(43.22,34.59) ; v6(61.2,32.09) U17.J11
  L17_SIG w0.089: v6(61.2,32.09) 61.39,32.29 61.39,32.49 61.32,32.56 61.1,32.56 60.88,32.78 60.88,33 60.51,33.38 60.29,33.38 60.08,33.58 60.08,33.8 59.97,33.92 59.97,34.14 59.33,34.78 58.6,34.78 58.09,34.27 57.48,34.27 57.24,34.02 57.15,34.02 57.08,33.95 57.08,33.74 57.18,33.64 59.21,33.64 59.62,33.23 59.62,32.74 59.36,32.49 59.14,32.49 58.97,32.32 58.48,32.32 58.32,32.49 55.15,32.49 54.51,33.13 54.51,34.42 54.41,34.53 54.03,34.53 53.77,34.27 53.77,32.75 53.52,32.49 52.88,32.49 52.63,32.75 52.63,35.06 52.52,35.16 52.1,35.16 52,35.06 52,33.61 51.74,33.35 50.8,33.35 50.8,33.35 49.65,33.35 49.29,32.99 48.2,32.99 47.68,33.51 47.68,34.27 48.06,34.65 48.06,36.2 47.95,36.3 47.82,36.3 47.44,35.92 47.08,35.92 47.07,35.92 46.98,35.92 46.88,35.82 46.88,34.64 46.81,34.56 46.81,34.34 46.79,34.33 46.79,33.85 46.81,33.83 46.81,33.34 46.46,33 46.4,33 46.39,32.99 46.05,32.99 46.03,33 45.97,33 45.63,33.34 45.63,33.73 45.35,34 45.08,34 44.81,33.73 44.81,33.34 44.46,33 44.37,33 44.35,32.99 43.97,32.99 43.59,33.36 43.59,34.22 v1(43.22,34.59)
IO_L03_12_JX3_N: length 73.2
  TOP w0.089: U1.AA10 v1(26.22,34.59)
  L18_SIG w0.089: v1(14.66,21.32) 14.46,21.32 14.13,21.64 14.13,21.81 14.28,21.95 14.53,21.95 14.66,22.08 14.66,22.21 14.53,22.33 14.28,22.33 14.13,22.48 14.13,23.35 15.27,24.49 16.18,24.49 16.82,25.13 18.47,25.13 19.23,25.89 19.23,31.07 18.59,31.71 18.59,33.02 19.21,33.64 19.97,33.64 20.63,34.29 20.63,35.48 21.08,35.92 21.37,35.92 21.77,36.33 21.77,38.1 21.87,38.21 22.45,38.21 22.55,38.1 22.55,36.4 22.95,36 23.46,36 23.81,36.34 23.81,36.83 23.8,36.84 23.8,37.34 23.81,37.34 23.81,37.83 23.8,37.84 23.8,38.34 23.81,38.34 23.81,38.83 23.8,38.84 23.8,39.34 23.81,39.34 23.81,39.83 23.8,39.84 23.8,40.34 23.81,40.34 23.81,40.73 24.07,41 24.46,41 24.62,40.83 24.62,39.34 24.69,39.28 24.69,38.9 24.62,38.83 24.62,38.34 24.69,38.28 24.69,37.9 24.62,37.83 24.62,34.34 24.97,34 25.25,34 25.46,34 25.81,34.34 25.83,34.37 25.83,41.77 25.98,41.91 26.07,41.91 26.08,41.92 26.35,41.92 26.55,41.73 26.6,41.68 26.6,38.36 27.02,37.94 28.33,37.94 28.4,38 28.46,38 28.81,38.34 28.81,41.91 28.89,42 29.54,42 29.63,41.91 29.63,38.8 29.56,38.73 29.56,37.21 29.54,37.19 26.98,37.19 26.6,36.8 26.6,35.16 26.59,35.16 26.59,34.96 v1(26.22,34.59)
  BOTTOM w0.089: v1(14.66,21.32) 14.2,21.32 13.98,21.53 13.64,21.53 13.4,21.77 JX3.28
IO_L03_12_JX3_P: length 73.3
  TOP w0.089: U1.Y10 v1(27.22,34.59)
  L18_SIG w0.089: v1(27.22,34.59) 26.84,34.96 26.84,35.05 26.85,35.06 26.85,36.7 27.08,36.92 27.22,36.92 27.23,36.94 29.64,36.94 29.88,37.17 29.88,42.02 29.65,42.25 28.79,42.25 28.55,42.02 28.55,38.45 28.35,38.25 28.29,38.25 28.23,38.19 27.12,38.19 26.85,38.46 26.85,41.79 26.73,41.91 26.46,42.18 25.97,42.18 25.96,42.17 25.87,42.17 25.58,41.88 25.58,34.48 25.35,34.25 25.08,34.25 24.88,34.45 24.88,37.73 24.94,37.79 24.94,38.38 24.88,38.45 24.88,38.73 24.94,38.79 24.94,39.38 24.88,39.45 24.88,40.94 24.57,41.25 23.97,41.25 23.55,40.84 23.55,40.45 23.55,40.44 23.55,39.73 23.55,39.73 23.55,39.45 23.55,39.44 23.55,38.73 23.55,38.73 23.55,38.45 23.55,38.44 23.55,37.73 23.55,37.73 23.55,37.45 23.55,37.44 23.55,36.73 23.55,36.73 23.55,36.45 23.35,36.25 23.06,36.25 22.81,36.51 22.81,38.21 22.55,38.46 21.77,38.46 21.52,38.21 21.52,36.43 21.26,36.18 20.97,36.18 20.37,35.58 20.37,34.4 19.86,33.89 19.1,33.89 18.34,33.13 18.34,31.6 18.98,30.97 18.98,25.99 18.36,25.38 16.71,25.38 16.08,24.75 15.17,24.75 13.88,23.46 13.88,21.54 14.28,21.14 v1(14.28,20.94)
  BOTTOM w0.089: JX3.26 13.3,20.97 13.64,21.32 13.9,21.32 v1(14.28,20.94)
IO_L03_13_JX2_N: length 73.2
  TOP w0.089: U1.AE26 v1(22.22,17.59)
  L3_SIG w0.089: v1(30.28,14.46) 30.15,14.33 26.07,14.33 25.81,14.58 25.81,15.1 25.45,15.46 25.45,16.75 24.82,17.38 24.82,34.91 24.47,35.25 23.93,35.25 23.55,34.87 23.55,25.35 23.38,25.18 22.97,25.18 22.81,25.35 22.81,27.83 22.8,27.84 22.8,28.34 22.81,28.34 22.81,28.83 22.8,28.84 22.8,29.34 22.81,29.34 22.81,29.83 22.8,29.84 22.8,31.34 22.81,31.34 22.81,31.83 22.8,31.84 22.8,32.34 22.81,32.34 22.81,32.83 22.8,32.84 22.8,33.34 22.81,33.34 22.81,33.83 22.8,33.84 22.8,34.34 22.81,34.34 22.81,34.83 22.8,34.84 22.8,34.87 22.42,35.25 21.97,35.25 21.62,34.91 21.62,18.16 21.84,17.94 22.1,17.94 22.15,17.89 22.15,17.65 v1(22.22,17.59)